# KiCad board EKO_Miner_BM1366-13xx_16-01B.kicad_pcb (continued)
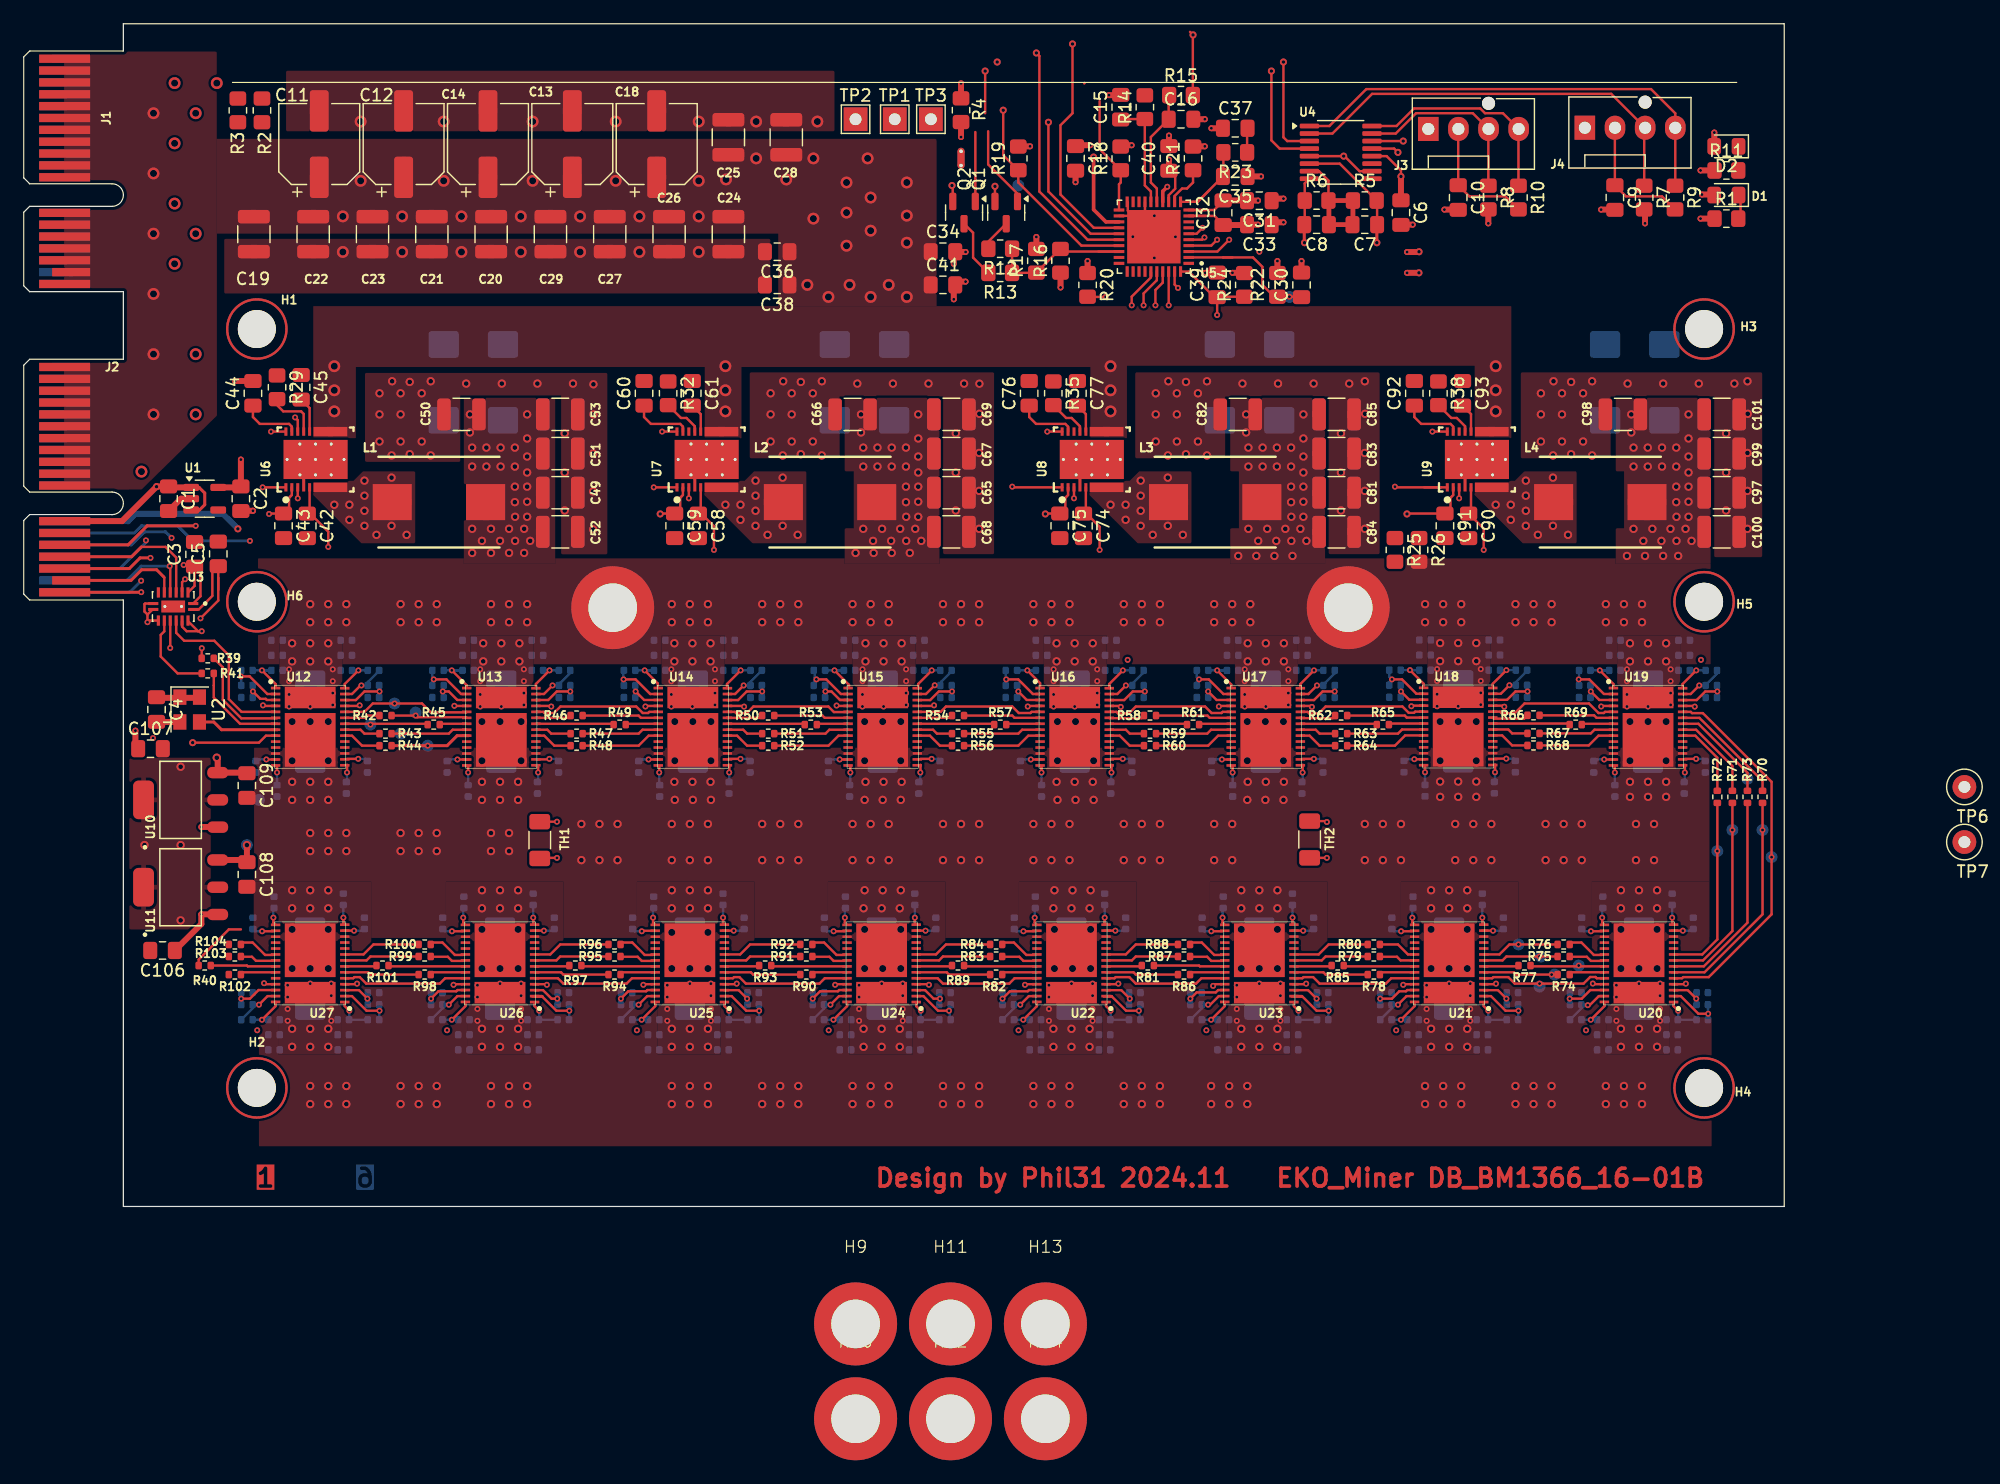
[diagram p0: board, top side]
## Routing (per net, layer and track width the routed paths; a pad name or vN(x,y) marks a point on that pad's centre or on a via; arc(x,y) is an arc through that point) (continued)
  Bottom w0.2: v3(68.34,45.21) 69.21,45.21 67.63,45.21
/ASICs/ASICs_BM1366_1/BM1366-3/VDD1_1: length 3.3
  Top w0.2: 75.4,43.71 75.4,44.06 v3(76.54,45.21)
  Bottom w0.2: 77.33,45.21 76.01,45.21
/ASICs/ASICs_BM1366_1/BM1366-3/VDD2_0: length 4.6
  Top w0.2: v3(66.82,44.45) 67.66,44.45 68.89,43.22 U15.2
  Bottom w0.2: 66.67,45.21 66.67,44.6 v3(66.82,44.45) 66.67,44.3 66.67,43.94
/ASICs/ASICs_BM1366_1/BM1366-3/VDD2_1: length 3.9
  Top w0.2: 75.4,43.22 76.06,43.22 v3(76.79,43.96)
  Bottom w0.2: v3(76.79,43.96) 76.81,43.94 77.33,43.94 77.33,44.25 78.29,45.21
/ASICs/ASICs_BM1366_1/BM1366-3/VDD3_0: length 4
  Top w0.2: U15.3 68.81,42.72 ; 68.81,42.72 69.56,42.72 ; 68.81,42.72 68.09,43.43 v3(67.58,43.43)
  Bottom w0.2: 67.63,43.94 67.63,43.48 v3(67.58,43.43) 67.63,43.39 67.63,42.93
/ASICs/ASICs_BM1366_1/BM1366-3/VDD3_1: length 4.2
  Top w0.2: 75.4,42.71 76.41,42.71 77.14,43.43 v3(78.25,43.43)
  Bottom w0.2: 78.29,42.93 78.29,43.39 v3(78.25,43.43) 78.29,43.48 78.29,43.94
/ASICs/ASICs_BM1366_1/BM1366-4/VDD1_0: length 4.2
  Top w0.2: v3(84.6,45.21) 85.68,44.14 U16.1
  Bottom w0.2: v3(84.6,45.21) C183.1 C181.2
/ASICs/ASICs_BM1366_1/BM1366-4/VDD1_1: length 3.3
  Top w0.2: U16.28 91.51,44.06 v3(92.66,45.21)
  Bottom w0.2: C191.1 C189.2
/ASICs/ASICs_BM1366_1/BM1366-4/VDD2_0: length 4.7
  Top w0.2: U16.2 85.07,43.22 83.84,44.45 v3(82.82,44.45)
  Bottom w0.2: C179.2 82.78,44.41 v3(82.82,44.45) 82.78,44.49 C181.1
/ASICs/ASICs_BM1366_1/BM1366-4/VDD2_1: length 3.9
  Top w0.2: v3(92.91,43.94) 92.19,43.22 U16.27
  Bottom w0.2: C191.2 94.41,45.03 93.45,44.07 C193.1 v3(92.91,43.94)
/ASICs/ASICs_BM1366_1/BM1366-4/VDD3_0: length 3.2
  Top w0.2: U16.3 84.56,42.72 v3(83.84,43.43)
  Bottom w0.2: C178.2 83.74,43.33 v3(83.84,43.43) 83.74,43.53 C179.1
/ASICs/ASICs_BM1366_1/BM1366-4/VDD3_1: length 4.4
  Top w0.2: U16.26 92.76,42.71 93.49,43.43 v3(94.51,43.43)
  Bottom w0.2: C193.2 94.41,43.53 v3(94.51,43.43) 94.41,43.33 C194.1
/ASICs/ASICs_BM1366_1/BM1366-5/VDD1_0: length 4.4
  Top w0.2: v3(100.6,45.21) 101.79,44.03 U17.1
  Bottom w0.2: C198.2 C200.1 v3(100.6,45.21)
/ASICs/ASICs_BM1366_1/BM1366-5/VDD1_1: length 3.3
  Top w0.2: v3(108.77,45.21) 107.62,44.06 U17.28
  Bottom w0.2: C208.1 C206.2
/ASICs/ASICs_BM1366_1/BM1366-5/VDD2_0: length 4.6
  Top w0.2: U17.2 101.13,43.22 99.9,44.45 v3(99.08,44.45)
  Bottom w0.2: C198.1 98.89,44.64 v3(99.08,44.45) 98.89,44.26 C196.2
/ASICs/ASICs_BM1366_1/BM1366-5/VDD2_1: length 3.9
  Top w0.2: U17.27 108.3,43.22 v3(109.02,43.94)
  Bottom w0.2: C208.2 110.52,44.96 109.56,44 C210.1 v3(109.02,43.94)
/ASICs/ASICs_BM1366_1/BM1366-5/VDD3_0: length 3.3
  Top w0.2: v3(99.84,43.43) 100.56,42.72 U17.3
  Bottom w0.2: C195.2 99.85,43.43 v3(99.84,43.43) 99.85,43.44 C196.1
/ASICs/ASICs_BM1366_1/BM1366-5/VDD3_1: length 4.2
  Top w0.2: U17.26 108.77,42.71 109.49,43.43 v3(110.51,43.43)
  Bottom w0.2: C210.2 110.52,43.44 v3(110.51,43.43) 110.52,43.43 C211.1
/ASICs/ASICs_BM1366_1/BM1366-6/VDD1_0: length 4.3
  Top w0.2: U18.1 118.01,44.08 v3(116.86,45.23)
  Bottom w0.2: C215.2 C217.1 v3(116.86,45.23)
/ASICs/ASICs_BM1366_1/BM1366-6/VDD1_1: length 3.3
  Top w0.2: U18.28 123.84,44.08 v3(124.99,45.23)
  Bottom w0.2: C225.1 C223.2
/ASICs/ASICs_BM1366_1/BM1366-6/VDD2_0: length 4.6
  Top w0.2: 118.01,43.24 117.4,43.24 116.19,44.45 v3(115.33,44.45)
  Bottom w0.2: C213.2 115.11,44.22 v3(115.33,44.45) 115.11,44.68 C215.1
/ASICs/ASICs_BM1366_1/BM1366-6/VDD2_1: length 3.9
  Top w0.2: 123.84,43.24 124.52,43.24 v3(125.24,43.96)
  Bottom w0.2: v3(125.24,43.96) C227.1 125.78,44.22 126.74,45.18 C225.2
/ASICs/ASICs_BM1366_1/BM1366-6/VDD3_0: length 3.2
  Top w0.2: U18.3 116.79,42.74 v3(116.1,43.43)
  Bottom w0.2: C212.2 116.07,43.41 v3(116.1,43.43) 116.07,43.46 C213.1
/ASICs/ASICs_BM1366_1/BM1366-6/VDD3_1: length 4.3
  Top w0.2: U18.26 125.04,42.73 125.75,43.43 v3(126.76,43.43)
  Bottom w0.2: C227.2 126.74,43.46 v3(126.76,43.43) 126.74,43.41 C228.1
/ASICs/ASICs_BM1366_1/BM1366-7/VDD1_0: length 4.3
  Top w0.2: v3(132.86,45.21) 134.01,44.06 U19.1
  Bottom w0.2: C232.2 C234.1 v3(132.86,45.21)
/ASICs/ASICs_BM1366_1/BM1366-7/VDD1_1: length 3.3
  Top w0.2: U19.28 139.84,44.06 v3(140.99,45.21)
  Bottom w0.2: C242.1 C240.2
/ASICs/ASICs_BM1366_1/BM1366-7/VDD2_0: length 4.7
  Top w0.2: U19.2 133.21,43.22 ; v3(131.08,44.45) 131.98,44.45 133.16,43.26
  Bottom w0.2: C232.1 131.11,44.48 v3(131.08,44.45) 131.11,44.42 C230.2
/ASICs/ASICs_BM1366_1/BM1366-7/VDD2_1: length 3.9
  Top w0.2: U19.27 140.52,43.22 v3(141.24,43.94)
  Bottom w0.2: C242.2 142.74,44.94 141.78,43.98 C244.1 v3(141.24,43.94)
/ASICs/ASICs_BM1366_1/BM1366-7/VDD3_0: length 3.2
  Top w0.2: U19.3 132.81,42.72 v3(132.1,43.43)
  Bottom w0.2: C229.2 132.07,43.41 v3(132.1,43.43) 132.07,43.46 C230.1
/ASICs/ASICs_BM1366_1/BM1366-7/VDD3_1: length 4.3
  Top w0.2: U19.26 141.02,42.71 141.75,43.43 v3(142.77,43.43)
  Bottom w0.2: C244.2 142.74,43.46 v3(142.77,43.43) 142.74,43.41 C245.1
/ASICs/ASICs_BM1366_2/BM1366-0/VDD1_0: length 3.2
  Top w0.2: 139.08,17.24 139.08,16.9 v3(139.46,16.51)
  Bottom w0.2: v3(139.46,16.51) 139.46,15.78 C251.1 C249.2
/ASICs/ASICs_BM1366_2/BM1366-0/VDD1_1: length 3.3
  Top w0.2: v3(132.1,15.75) 133.25,16.9 U20.28
  Bottom w0.2: C259.1 C257.2
/ASICs/ASICs_BM1366_2/BM1366-0/VDD2_0: length 4.8
  Top w0.2: v3(141.99,16.26) 141.17,16.26 139.68,17.74 U20.2
  Bottom w0.2: C247.2 141.98,16.27 v3(141.99,16.26) 141.98,16.24 C249.1
/ASICs/ASICs_BM1366_2/BM1366-0/VDD2_1: length 3.7
  Top w0.2: v3(131.84,16.98) 132.01,16.98 132.77,17.74 U20.27
  Bottom w0.2: v3(131.84,16.98) 131.58,16.98 C259.2
/ASICs/ASICs_BM1366_2/BM1366-0/VDD3_0: length 3.2
  Top w0.2: U20.3 140.27,18.24 v3(140.99,17.53)
  Bottom w0.2: C247.1 141.02,17.5 v3(140.99,17.53) 141.02,17.55 C246.2
/ASICs/ASICs_BM1366_2/BM1366-0/VDD3_1: length 4.3
  Top w0.2: v3(130.32,17.53) 131.34,17.53 132.06,18.25 U20.26
  Bottom w0.2: C262.1 130.35,17.55 v3(130.32,17.53) 130.35,17.5 C261.2
/ASICs/ASICs_BM1366_2/BM1366-1/VDD1_0: length 3.2
  Top w0.2: v3(123.46,16.51) 123.08,16.9 123.08,17.24
  Bottom w0.2: v3(123.46,16.51) 123.46,15.78 C268.1 C266.2
/ASICs/ASICs_BM1366_2/BM1366-1/VDD1_1: length 3.3
  Top w0.2: U21.28 117.24,16.9 v3(116.1,15.75)
  Bottom w0.2: C276.1 C274.2
/ASICs/ASICs_BM1366_2/BM1366-1/VDD2_0: length 4.7
  Top w0.2: v3(126,16.51) 124.91,16.51 123.68,17.74 U21.2
  Bottom w0.2: C266.1 v3(126,16.51) C264.2
/ASICs/ASICs_BM1366_2/BM1366-1/VDD2_1: length 3.9
  Top w0.2: U21.27 116.56,17.74 v3(115.84,17.02)
  Bottom w0.2: v3(115.84,17.02) C278.1 115.31,16.71 C276.2
/ASICs/ASICs_BM1366_2/BM1366-1/VDD3_0: length 3.2
  Top w0.2: U21.3 124.27,18.24 v3(124.99,17.53)
  Bottom w0.2: C263.2 125.01,17.55 v3(124.99,17.53) 125.01,17.5 C264.1
/ASICs/ASICs_BM1366_2/BM1366-1/VDD3_1: length 4.2
  Top w0.2: U21.26 116.62,18.25 116.52,18.15 115.96,18.15 115.33,17.53 v3(114.35,17.53)
  Bottom w0.2: C279.1 C278.2
/ASICs/ASICs_BM1366_2/BM1366-2/VDD1_0: length 3.2
  Top w0.2: v3(107.46,16.51) 107.07,16.9 107.07,17.24
  Bottom w0.2: v3(107.46,16.51) 107.46,15.78 C302.1 C300.2
/ASICs/ASICs_BM1366_2/BM1366-2/VDD1_1: length 3.3
  Top w0.2: v3(100.09,15.75) 101.24,16.9 U23.28
  Bottom w0.2: C310.1 C308.2
/ASICs/ASICs_BM1366_2/BM1366-2/VDD2_0: length 6.2
  Top w0.2: v3(110,16.51) 108.98,16.51 107.75,17.74 U23.2 107.7,17.74 107.74,17.7 106.88,17.7
  Bottom w0.2: C300.1 v3(110,16.51) C298.2
/ASICs/ASICs_BM1366_2/BM1366-2/VDD2_1: length 3.9
  Top w0.2: U23.27 100.74,17.74 100.02,17.02 v3(99.84,17.02)
  Bottom w0.2: C310.2 99.3,16.71 C312.1 v3(99.84,17.02)
/ASICs/ASICs_BM1366_2/BM1366-2/VDD3_0: length 3.2
  Top w0.2: U23.3 108.27,18.24 v3(108.98,17.53)
  Bottom w0.2: C298.1 109.01,17.5 v3(108.98,17.53) 109.01,17.55 C297.2
/ASICs/ASICs_BM1366_2/BM1366-2/VDD3_1: length 4.2
  Top w0.2: v3(98.34,17.53) 98.87,18.06 100.49,18.06 100.69,18.25 U23.26
  Bottom w0.2: C313.1 C312.2
/ASICs/ASICs_BM1366_2/BM1366-3/VDD1_0: length 3.2
  Top w0.2: v3(91.62,16.51) 91.24,16.9 91.24,17.24
  Bottom w0.2: v3(91.62,16.51) 91.62,15.78 C285.1 C283.2
/ASICs/ASICs_BM1366_2/BM1366-3/VDD1_1: length 3.3
  Top w0.2: U22.28 85.41,16.9 v3(84.26,15.75)
  Bottom w0.2: C293.1 C291.2
/ASICs/ASICs_BM1366_2/BM1366-3/VDD2_0: length 5.3
  Top w0.2: v3(94,16.51) 92.92,16.51 91.69,17.74 ; 91.69,17.74 91.74,17.7 91.04,17.7 ; 91.69,17.74 U22.2
  Bottom w0.2: C281.2 v3(94,16.51) C283.1
/ASICs/ASICs_BM1366_2/BM1366-3/VDD2_1: length 3.9
  Top w0.2: v3(84,17.02) 84.73,17.74 U22.27
  Bottom w0.2: C293.2 83.47,16.71 C295.1 v3(84,17.02)
/ASICs/ASICs_BM1366_2/BM1366-3/VDD3_0: length 3.4
  Top w0.2: v3(93.24,17.53) 92.52,18.24 U22.3
  Bottom w0.2: C281.1 93.18,17.47 v3(93.24,17.53) 93.18,17.59 C280.2
/ASICs/ASICs_BM1366_2/BM1366-3/VDD3_1: length 4.2
  Top w0.2: U22.26 84.73,18.25 84.63,18.15 83.13,18.15 v3(82.51,17.53)
  Bottom w0.2: C296.1 C295.2
/ASICs/ASICs_BM1366_2/BM1366-4/VDD1_0: length 3.2
  Top w0.2: v3(75.62,16.51) 75.24,16.9 75.24,17.24
  Bottom w0.2: C317.2 C319.1 75.62,15.78 v3(75.62,16.51)
/ASICs/ASICs_BM1366_2/BM1366-4/VDD1_1: length 3.3
  Top w0.2: v3(68.26,15.75) 69.4,16.9 U24.28
  Bottom w0.2: C327.1 C325.2
/ASICs/ASICs_BM1366_2/BM1366-4/VDD2_0: length 4.6
  Top w0.2: U24.2 75.84,17.74 77.07,16.51 v3(78,16.51)
  Bottom w0.2: C315.2 v3(78,16.51) C317.1
/ASICs/ASICs_BM1366_2/BM1366-4/VDD2_1: length 3.9
  Top w0.2: U24.27 68.73,17.74 v3(68,17.02)
  Bottom w0.2: C327.2 67.47,16.71 C329.1 v3(68,17.02)
/ASICs/ASICs_BM1366_2/BM1366-4/VDD3_0: length 3.4
  Top w0.2: U24.3 75.98,18.24 76.7,17.53 v3(77.23,17.53)
  Bottom w0.2: C315.1 77.17,17.47 v3(77.23,17.53) 77.17,17.59 C314.2
/ASICs/ASICs_BM1366_2/BM1366-4/VDD3_1: length 4.2
  Top w0.2: U24.26 68.73,18.25 68.63,18.15 67.13,18.15 v3(66.51,17.53)
  Bottom w0.2: C330.1 C329.2
/ASICs/ASICs_BM1366_2/BM1366-5/VDD1_0: length 3.2
  Top w0.2: v3(59.45,16.51) 59.07,16.9 59.07,17.24
  Bottom w0.2: C334.2 C336.1 59.45,15.78 v3(59.45,16.51)
/ASICs/ASICs_BM1366_2/BM1366-5/VDD1_1: length 3.3
  Top w0.2: U25.28 53.24,16.9 v3(52.09,15.75)
  Bottom w0.2: C344.1 C342.2
/ASICs/ASICs_BM1366_2/BM1366-5/VDD2_0: length 4.7
  Top w0.2: U25.2 59.67,17.74 60.9,16.51 v3(61.99,16.51)
  Bottom w0.2: C334.1 v3(61.99,16.51) C332.2
/ASICs/ASICs_BM1366_2/BM1366-5/VDD2_1: length 3.9
  Top w0.2: v3(51.83,17.02) 52.56,17.74 U25.27
  Bottom w0.2: C344.2 51.3,16.71 C346.1 v3(51.83,17.02)
/ASICs/ASICs_BM1366_2/BM1366-5/VDD3_0: length 3.2
  Top w0.2: U25.3 60.26,18.24 v3(60.98,17.53)
  Bottom w0.2: C331.2 61.01,17.55 v3(60.98,17.53) 61.01,17.5 C332.1
/ASICs/ASICs_BM1366_2/BM1366-5/VDD3_1: length 4.2
  Top w0.2: U25.26 52.57,18.25 52.46,18.15 50.96,18.15 v3(50.34,17.53)
  Bottom w0.2: C347.1 C346.2
/ASICs/ASICs_BM1366_2/BM1366-6/VDD1_0: length 3.2
  Top w0.2: v3(43.45,16.51) 43.07,16.9 43.07,17.24
  Bottom w0.2: C351.2 C353.1 43.45,15.78 v3(43.45,16.51)
/ASICs/ASICs_BM1366_2/BM1366-6/VDD1_1: length 3.3
  Top w0.2: U26.28 37.23,16.9 v3(36.09,15.75)
  Bottom w0.2: C361.1 C359.2
/ASICs/ASICs_BM1366_2/BM1366-6/VDD2_0: length 6.2
  Top w0.2: v3(45.99,16.51) 44.9,16.51 43.67,17.74 U26.2 43.69,17.74 43.73,17.7 42.87,17.7
  Bottom w0.2: C351.1 v3(45.99,16.51) C349.2
/ASICs/ASICs_BM1366_2/BM1366-6/VDD2_1: length 3.9
  Top w0.2: U26.27 36.56,17.74 v3(35.83,17.02)
  Bottom w0.2: C361.2 35.3,16.71 C363.1 v3(35.83,17.02)
/ASICs/ASICs_BM1366_2/BM1366-6/VDD3_0: length 3.2
  Top w0.2: v3(44.98,17.53) 44.49,17.53 43.78,18.24 U26.3
  Bottom w0.2: C349.1 45,17.5 v3(44.98,17.53) 45,17.55 C348.2
/ASICs/ASICs_BM1366_2/BM1366-6/VDD3_1: length 4.2
  Top w0.2: U26.26 36.56,18.25 36.46,18.15 34.96,18.15 v3(34.34,17.53)
  Bottom w0.2: C364.1 C363.2
/ASICs/ASICs_BM1366_2/BM1366-7/VDD1_0: length 3.2
  Top w0.2: 27.06,17.24 27.06,16.9 v3(27.45,16.51)
  Bottom w0.2: C368.2 C370.1 27.45,15.78 v3(27.45,16.51)
/ASICs/ASICs_BM1366_2/BM1366-7/VDD1_1: length 3.3
  Top w0.2: v3(20.08,15.75) 21.23,16.9 U27.28
  Bottom w0.2: C378.1 C376.2
/ASICs/ASICs_BM1366_2/BM1366-7/VDD2_0: length 4.7
  Top w0.2: v3(29.99,16.51) 28.9,16.51 27.67,17.74 U27.2
  Bottom w0.2: C368.1 v3(29.99,16.51) C366.2
/ASICs/ASICs_BM1366_2/BM1366-7/VDD2_1: length 3.9
  Top w0.2: U27.27 20.55,17.74 v3(19.83,17.02)
  Bottom w0.2: v3(19.83,17.02) C380.1 19.29,16.71 C378.2
/ASICs/ASICs_BM1366_2/BM1366-7/VDD3_0: length 3.2
  Top w0.2: v3(28.97,17.53) 28.26,18.24 U27.3
  Bottom w0.2: C366.1 29,17.5 v3(28.97,17.53) 29,17.55 C365.2
/ASICs/ASICs_BM1366_2/BM1366-7/VDD3_1: length 4.2
  Top w0.2: U27.26 19.79,18.25 19.07,17.53 v3(18.33,17.53)
  Bottom w0.2: C381.1 C380.2
GND: length 67.6
  Top w0.2: 53.61,42.22 52.46,42.22 v3(52.41,42.17) ; v3(60.1,18.79) 60.05,18.75 58.92,18.75 ; 117.01,18.75 116.34,18.75 v3(116.29,18.7) ; 10.43,49.92 v3(10.43,49.28) 10.57,49.42 11.35,49.42 ; 10.43,49.92 10.86,50.35 ; 10.43,49.92 10.18,50.18 10.18,50.8 10.23,50.85 U3.8 ; 134.16,42.22 133.02,42.22 v3(132.97,42.17) ; v3(92.27,18.79) 92.23,18.75 91.09,18.75 ; v3(124.11,18.79) 124.06,18.75 122.92,18.75 ; 85.17,18.75 84.45,18.75 v3(84.4,18.7) ; 43.41,42.22 44.42,42.22 v3(44.47,42.16) ; v3(20.17,42.26) 20.22,42.22 21.38,42.22 ; v3(68.52,42.25) 68.55,42.22 69.72,42.22 ; v3(76.31,18.7) 76.26,18.75 75.08,18.75 ; 37,18.75 36.28,18.75 v3(36.23,18.7) ; 13.35,49.36 13.35,48.9 13.73,48.51 v3(15,48.51) 14.7,48.51 13.85,49.36 ; 91.74,42.22 92.39,42.22 v3(92.48,42.13) ; v3(84.63,42.17) 84.68,42.22 85.83,42.22 ; v3(116.97,42.19) 117.02,42.23 118.16,42.23 ; 107.86,42.22 108.5,42.22 v3(108.59,42.13) ; v3(108.11,18.79) 108.06,18.75 106.92,18.75 ; v3(60.72,42.16) 60.67,42.22 59.52,42.22 ; U12.25 28.27,42.22 v3(28.32,42.26) ; 133.01,18.75 132.33,18.75 v3(132.27,18.8) ; v3(140.11,18.79) 140.06,18.75 138.93,18.75 ; 53,18.75 52.28,18.75 v3(52.23,18.7) ; v3(20.26,18.83) 20.35,18.75 21,18.75 ; 75.63,42.22 76.69,42.22 v3(76.74,42.26) ; v3(28.1,18.79) 28.05,18.75 26.91,18.75 ; U4.5 v4(111.27,88.58) 111.33,88.58 112.6,87.31 U4.10 ; 140.08,42.22 140.8,42.22 v3(140.86,42.16) ; 42.91,18.75 44.05,18.75 v3(44.1,18.7) ; 69.17,18.75 68.45,18.75 v3(68.4,18.7) ; v3(36.3,42.22) 36.31,42.22 37.5,42.22 ; 124.07,42.23 124.72,42.23 v3(124.81,42.15) ; v3(100.74,42.17) 100.79,42.22 101.94,42.22 ; v3(13.6,52.9) 13.35,52.65 13.35,51.84 ; 15,46.4 15,47.08 ; 101.01,18.75 100.4,18.75 v3(100.26,18.61)
  Top w0.5: 98.57,91.69 v3(99.56,91.69) ; 78.4,77.5 v3(78.4,76.51) ; 18.31,58.67 v3(19.32,58.67) ; 78.4,78 v3(79.39,78) ; C4.2 11.21,40.86 U2.2 ; 134.13,84.07 v3(132.97,84.07) ; C1.2 13.25,59.69 U1.2 ; C34.2 78.4,80.39 v3(78.4,79.5) ; 120.92,84.07 v3(119.76,84.07) ; 78.4,80.5 v3(79.39,80.5) ; 142.51,87.38 v3(141.35,87.38) ; 142.51,83.31 v3(141.35,83.31) ; 116.1,82.8 v3(117.09,82.8) ; C44.2 v3(17.82,69.62) ; 92.47,93.73 v3(91.48,93.73)
  Bottom w0.2: 109.56,42.67 109.56,42.98
  vias: v1(10.18,30.48) v1(13.23,37.08) v1(13.23,30.48) v1(13.23,24.13) v1(22.62,35.81) v1(22.62,34.29) v1(22.62,26.67) v1(22.62,25.15) v1(24.15,35.81) v1(24.15,34.29) v1(24.15,31.5) v1(24.15,29.97) v1(24.15,26.67) v1(24.15,25.15) v1(25.67,35.81) v1(25.67,34.29) v1(25.67,31.5) v1(25.67,29.97) v1(25.67,26.67) v1(25.67,25.15) v1(27.2,31.5) v1(27.2,29.97) v1(29.99,68.58) v1(29.99,66.8) v1(29.99,64.52) v1(31.05,69.6) v1(31.01,63.34) v1(31.77,68.58) v1(31.77,66.8) v1(31.77,64.52) v1(31.77,31.5) v1(31.77,29.97) v1(32.54,69.54) v1(32.54,63.44) v1(33.29,31.5) v1(33.29,29.97) v1(33.55,68.58) v1(33.55,64.52) v1(34.31,69.6) v1(34.31,63.34) v1(34.82,31.5) v1(34.82,29.97) v1(37.3,69.4) v1(38.63,35.81) v1(38.63,34.29) v1(38.63,26.67) v1(38.63,25.15) v1(39.39,31.5) v1(39.39,29.97) v1(40.15,35.81) v1(40.15,34.29) v1(40.15,26.67) v1(40.15,25.15) v1(40.3,69.4) v1(40.91,31.5) v1(40.91,29.97) v1(41.67,35.81) v1(41.67,34.29) v1(41.67,26.67) v1(41.67,25.15) v1(43.3,69.4) v1(45.6,65.2) v1(45.6,61.9) v1(45.6,58.7) v1(46.3,69.4) v1(47.01,32.26) v1(47.01,29.21) v1(48,63.5) v1(48,60.3) v1(48,57.1) v1(48.02,69.34) v1(48.02,66.8) v1(48.53,32.26) v1(48.53,29.21) v1(50.06,32.26) v1(50.06,29.21) v1(54.63,32.26) v1(54.63,29.21) v1(54.63,26.67) v1(54.63,25.15) v1(54.85,35.81) v1(54.88,34.29) v1(56.15,32.26) v1(56.15,29.21) v1(56.15,26.67) v1(56.15,25.15) v1(56.37,35.81) v1(56.41,34.29) v1(57.68,32.26) v1(57.68,29.21) v1(57.68,26.67) v1(57.68,25.15) v1(57.89,35.81) v1(57.93,34.29) v1(62.25,32.26) v1(62.25,29.21) v1(62.96,68.58) v1(62.96,66.8) v1(62.96,64.52) v1(63.77,32.26) v1(63.77,29.21) v1(63.98,63.34) v1(64.02,69.6) v1(64.74,68.58) v1(64.74,66.8) v1(64.74,64.52) v1(65.3,32.26) v1(65.3,29.21) v1(65.51,69.54) v1(65.51,63.44) v1(66.51,68.58) v1(66.51,64.52) v1(67.28,69.6) v1(67.28,63.34) v1(69.87,32.26) v1(69.87,29.21) v1(70.27,69.4) v1(70.8,25.15) v1(70.88,34.29) v1(70.88,26.67) v1(70.96,35.81) v1(71.39,32.26) v1(71.39,29.21) v1(72.32,25.15) v1(72.48,35.81) v1(72.41,34.29) v1(72.41,26.67) v1(72.92,32.26) v1(72.92,29.21) v1(73.27,69.4) v1(73.84,25.15) v1(73.93,34.29) v1(73.93,26.67) v1(74,35.81) v1(76.27,69.4) v1(77.49,32.26) v1(77.49,29.21) v1(78.57,65.2) v1(78.57,61.9) v1(78.57,58.7) v1(79.01,32.26) v1(79.01,29.21) v1(79.27,69.4) v1(80.56,69.39) v1(80.56,66.85) v1(80.54,63.55) v1(80.54,60.35) v1(80.54,57.15) v1(80.54,32.26) v1(80.54,29.21) v1(85.11,32.26) v1(85.11,29.21) v1(86.63,32.26) v1(86.63,29.21) v1(86.8,25.15) v1(86.89,26.67) v1(87.07,35.81) v1(87.14,34.29) v1(88.16,32.26) v1(88.16,29.21) v1(88.32,25.15) v1(88.41,26.67) v1(88.59,35.81) v1(88.66,34.29) v1(89.85,25.15) v1(89.93,26.67) v1(90.12,35.81) v1(90.19,34.29) v1(92.73,32.26) v1(92.73,29.21) v1(94.25,32.26) v1(94.25,29.21) v1(95.43,68.58) v1(95.43,66.8) v1(95.43,64.52) v1(95.78,32.26) v1(95.78,29.21) v1(96.49,69.6) v1(96.45,63.34) v1(97.2,68.58) v1(97.2,66.8) v1(97.2,64.52) v1(97.97,69.54) v1(97.97,63.44) v1(98.98,68.58) v1(98.98,64.52) v1(99.74,69.6) v1(99.74,63.34) v1(100.35,32.26) v1(100.35,29.21) v1(101.87,32.26) v1(101.87,29.21) v1(102.63,26.67) v1(102.63,25.15) v1(102.74,69.4) v1(103.18,35.81) v1(103.14,34.29) v1(104.16,26.67) v1(104.16,25.15) v1(104.67,34.29) v1(104.7,35.81) v1(105.68,26.67) v1(105.68,25.15) v1(105.74,69.4) v1(106.19,34.29) v1(106.23,35.81) v1(108.74,69.4) v1(111.04,65.2) v1(111.04,61.9) v1(111.04,58.7) v1(111.74,69.4) v1(113.05,69.6) v1(113.07,66.85) v1(113.05,63.55) v1(113.05,60.35) v1(113.05,57.15) v1(113.05,32.26) v1(113.05,29.21) v1(114.57,32.26) v1(114.57,29.21) v1(116.1,32.26) v1(116.1,29.21) v1(118.64,26.67) v1(118.64,25.15) v1(119.4,35.83) v1(119.4,34.54) v1(120.16,26.67) v1(120.16,25.15) v1(120.67,32.26) v1(120.67,29.21) v1(120.92,35.83) v1(120.92,34.54) v1(121.68,26.67) v1(121.68,25.15) v1(122.19,32.26) v1(122.19,29.21) v1(122.45,35.83) v1(122.45,34.54) v1(123.72,32.26) v1(123.72,29.21) v1(127.89,68.58) v1(127.89,66.8) v1(127.89,64.52) v1(128.29,32.26) v1(128.29,29.21) v1(128.96,69.6) v1(128.92,63.34) v1(129.67,68.58) v1(129.67,66.8) v1(129.67,64.52) v1(129.81,32.26) v1(129.81,29.21) v1(130.44,69.54) v1(130.44,63.44) v1(131.34,32.26) v1(131.34,29.21) v1(131.45,68.58) v1(131.45,64.52) v1(132.21,69.6) v1(132.21,63.34) v1(134.64,26.67) v1(134.64,25.15) v1(135.2,69.4) v1(135.4,35.81) v1(135.4,34.54) v1(135.91,32.26) v1(135.91,29.21) v1(136.16,26.67) v1(136.16,25.15) v1(136.92,35.81) v1(136.92,34.54) v1(137.43,32.26) v1(137.43,29.21) v1(137.69,26.67) v1(137.69,25.15) v1(138.2,69.4) v1(138.45,35.81) v1(138.45,34.54) v1(141.2,69.4) v1(143.5,65.2) v1(143.5,61.9) v1(143.5,58.7) v1(144.2,69.4) v1(145.31,69.6) v1(145.33,66.85) v1(145.31,63.55) v1(145.31,60.35) v1(145.31,57.15) v2(9.92,61.98) v2(12.72,94.74) v2(12.72,89.66) v2(12.72,84.58) v2(12.72,79.5) v2(14.5,92.2) v2(14.5,82.04) v2(14.5,71.88) v2(14.5,66.8) v2(16.27,94.74) v2(22.62,40.89) v2(22.62,37.59) v2(22.62,23.37) v2(22.62,20.07) v2(24.15,40.89) v2(24.15,20.07) v2(25.67,40.89) v2(25.67,37.59) v2(25.67,23.37) v2(25.67,20.07) v2(26.9,80.5) v2(28.4,91.5) v2(31.9,80.5) v2(35.4,91.5) v2(36.9,80.5) v2(38.63,40.89) v2(38.63,37.59) v2(38.63,23.37) v2(38.63,20.07) v2(40.15,40.89) v2(40.15,20.07) v2(41.67,23.37) v2(41.67,20.07) v2(41.9,80.5) v2(41.93,40.89) v2(41.93,37.59) v2(42.9,91.5) v2(46.9,80.5) v2(49.9,91.5) v2(51.9,80.5) v2(54.63,23.11) v2(54.63,20.07) v2(54.88,40.89) v2(54.88,37.59) v2(56.15,20.07) v2(56.41,40.89) v2(56.9,91.5) v2(56.9,80.5) v2(57.68,23.11) v2(57.68,20.07) v2(57.93,40.89) v2(57.93,37.59) v2(61.74,91.5) v2(66.9,91.5) v2(70.88,40.89) v2(70.88,37.59) v2(70.88,23.37) v2(70.88,20.07) v2(72.41,40.89) v2(72.41,20.07) v2(73.93,40.89) v2(73.93,37.59) v2(73.93,23.37) v2(73.93,20.07) v2(86.89,23.37) v2(86.89,20.07) v2(87.14,40.89) v2(87.14,37.59) v2(88.41,20.07) v2(88.66,40.89) v2(89.93,23.37) v2(89.93,20.07) v2(90.19,40.89) v2(90.19,37.59) v2(102.63,23.37) v2(102.63,20.07) v2(103.14,40.89) v2(103.14,37.59) v2(104.16,20.07) v2(104.67,40.89) v2(105.68,23.37) v2(105.68,20.07) v2(106.19,40.89) v2(106.19,37.59) v2(118.64,23.37) v2(118.64,20.07) v2(119.4,40.89) v2(119.4,37.59) v2(120.16,20.07) v2(120.92,40.89) v2(121.68,23.37) v2(121.68,20.07) v2(122.45,40.89) v2(122.45,37.59) v2(134.64,23.37) v2(134.64,20.07) v2(135.4,40.89) v2(135.4,37.59) v2(136.16,20.07) v2(136.92,40.89) v2(137.69,23.37) v2(137.69,20.07) v2(138.45,40.89) v2(138.45,37.59) v3(10.9,39.5) v3(15.01,47.08) v3(19.68,14.86) v3(35.69,14.86) v3(51.69,14.86) v3(67.86,14.86) v3(83.86,14.86) v3(93.06,46.1) v3(99.69,14.86) v3(115.7,14.86) v3(116.61,80.49) v3(116.61,78.74) v3(131.7,14.86) v3(141.39,46.1)
GNDA: length 21
  Top w0.2: 93.84,83.55 93.53,83.55 ; 93.53,83.55 U5.22 ; 93.53,83.55 93.52,83.54 ; U5.20 93.07,84.67 93.07,83.98 U5.41 94.52,82.54 U5.17 ; Q2.2 78.32,86.04 v4(78.25,86.11) ; Q1.2 v4(81.87,86.04)
  Top w0.5: 105.68,78.74 v3(105.68,79.73) ; 102.89,78.74 v3(101.89,78.74) ; 107.71,78.74 v3(107.71,79.73) ; 105.4,83 v3(106.19,83) ; 85.36,80.77 v3(85.36,81.77) ; 96.54,89.15 v3(96.54,90.32) ; 89.68,78.74 v3(89.68,79.73) ; 105.4,85 v3(106.19,85) ; 88.66,87.38 v3(88.66,86.38) ; 100.6,78.74 v3(99.61,78.74)
  vias: v3(93.49,81.79) v3(95.31,83.55) v3(95.31,80) v3(97.09,81.78)
/ASICs/ASICs_BM1366_1/BM1366-0/BI: length 9
  Top w0.2: 21.34,41.17 18.34,41.17 16.78,42.73 16.78,45.47 R39.2
/ASICs/ASICs_BM1366_1/BM1366-7/BO: length 19.1
  Top w0.2: 138.93,19.75 141.69,19.75 146.58,24.64 v3(146.58,31.75) R70.2
/ASICs/ASICs_BM1366_1/BM1366-7/CLKO: length 16.8
  Top w0.2: U20.8 141.56,20.75 144.04,23.23 v3(144.04,31.75) R71.2
/ASICs/ASICs_BM1366_1/BM1366-7/CO: length 15.7
  Top w0.2: R72.2 v3(142.77,29.97) 142.77,22.53 141.5,21.25 U20.9
/ASICs/ASICs_BM1366_1/BM1366-7/RI: length 8.7
  Top w0.2: U19.22 141.17,40.71 145.31,36.58 v3(145.31,36.07) R73.2
/ASICs/ASICs_BM1366_1/BM1366-7/RSTO_n: length 31.6
  Top w0.2: U20.5 139.79,19.25 139.88,19.34 142.04,19.34 147.34,24.64 v3(147.34,29.46) 147.34,35.81 141.54,41.61 140.63,41.61 140.53,41.71 U19.24
/ASICs/ASICs_BM1366_1/BO1: length 6.4
  Top w0.2: U13.6 37.29,41.26 33.18,41.26 v3(33.04,41.4) R42.2
/ASICs/ASICs_BM1366_1/BO2: length 6.4
  Top w0.2: 53.45,41.21 52.02,41.21 51.83,41.4 R46.2
/ASICs/ASICs_BM1366_1/BO3: length 6.4
  Top w0.2: 63.23,41.4 67.33,41.4 67.52,41.21 69.56,41.21
/ASICs/ASICs_BM1366_1/BO4: length 6.4
  Top w0.2: 79.34,41.4 83.33,41.4 83.52,41.21 U16.6
/ASICs/ASICs_BM1366_1/BO5: length 6.4
  Top w0.2: R58.2 99.78,41.4 99.97,41.21 U17.6
/ASICs/ASICs_BM1366_1/BO6: length 6.5
  Top w0.2: U18.6 116.59,41.23 116.41,41.4 R62.2
/ASICs/ASICs_BM1366_1/BO7: length 6.3
  Top w0.2: R66.2 132.38,41.42 132.59,41.21 U19.6
/ASICs/ASICs_BM1366_1/CLKO1: length 6.5
  Top w0.2: R43.2 v3(31.77,39.88) 35.83,39.88 36.16,40.21 U13.8
/ASICs/ASICs_BM1366_1/CLKO2: length 6.5
  Top w0.2: 53.45,40.21 52.16,40.21 51.83,39.88 R47.2
/ASICs/ASICs_BM1366_1/CLKO3: length 6.5
  Top w0.2: 63.23,39.88 67.58,39.88 67.91,40.21 69.56,40.21
/ASICs/ASICs_BM1366_1/CLKO4: length 6.5
  Top w0.2: U16.8 84.17,40.21 83.84,39.88 79.34,39.88
/ASICs/ASICs_BM1366_1/CLKO5: length 6.5
  Top w0.2: U17.8 100.09,40.21 99.77,39.88 R59.2
/ASICs/ASICs_BM1366_1/CLKO6: length 6.6
  Top w0.2: R63.2 115.84,39.88 116.19,40.23 118.01,40.23
/ASICs/ASICs_BM1366_1/CLKO7: length 6.4
  Top w0.2: R67.2 132.1,39.9 132.41,40.21 U19.8
/ASICs/ASICs_BM1366_1/CO1: length 6.8
  Top w0.25: R44.2 v3(34.05,38.86) 35.69,38.86 36.53,39.7 37.5,39.7
/ASICs/ASICs_BM1366_1/CO2: length 6.7
  Top w0.2: R48.2 51.83,38.86 52.68,39.7 53.45,39.7
/ASICs/ASICs_BM1366_1/CO3: length 6.7
  Top w0.2: 63.23,38.86 67.84,38.86 68.68,39.7 69.56,39.7
/ASICs/ASICs_BM1366_1/CO4: length 6.7
  Top w0.2: 79.34,38.86 83.84,38.86 84.68,39.7 U16.9
/ASICs/ASICs_BM1366_1/CO5: length 6.7
  Top w0.2: R60.2 99.84,38.86 100.68,39.7 U17.9
/ASICs/ASICs_BM1366_1/CO6: length 6.8
  Top w0.2: R64.2 115.59,38.86 116.45,39.72 U18.9
/ASICs/ASICs_BM1366_1/CO7: length 6.6
  Top w0.2: U19.9 132.74,39.7 131.92,38.88 R68.2
/ASICs/ASICs_BM1366_1/RI1: length 7.1
  Top w0.2: U12.22 29.16,40.71 v3(29.23,40.64) 29.3,40.71 33.98,40.71 R45.2
/ASICs/ASICs_BM1366_1/RI02: length 6.6
  Top w0.2: U13.22 49.73,40.71
/ASICs/ASICs_BM1366_1/RI3: length 6.5
  Top w0.2: 59.29,40.71 65.73,40.71 65.8,40.64
/ASICs/ASICs_BM1366_1/RI4: length 6.4
  Top w0.2: 75.4,40.71 81.74,40.71 R57.2
/ASICs/ASICs_BM1366_1/RI5: length 6.6
  Top w0.2: R61.2 97.99,40.71 U16.22
/ASICs/ASICs_BM1366_1/RI6: length 6.5
  Top w0.2: R65.2 113.99,40.71 U17.22
/ASICs/ASICs_BM1366_1/RI7: length 6.5
  Top w0.2: U18.22 130.23,40.73 R69.2
/ASICs/ASICs_BM1366_1/RSTO1: length 10.9
  Top w0.2: U12.24 28.72,41.71 29.43,42.42 v3(31.26,42.42) 33.57,42.42 34.32,41.67 37.3,41.67 U13.5
